# Altium PCB RUMBA32.PcbDoc (part 1 of 3) (continued)
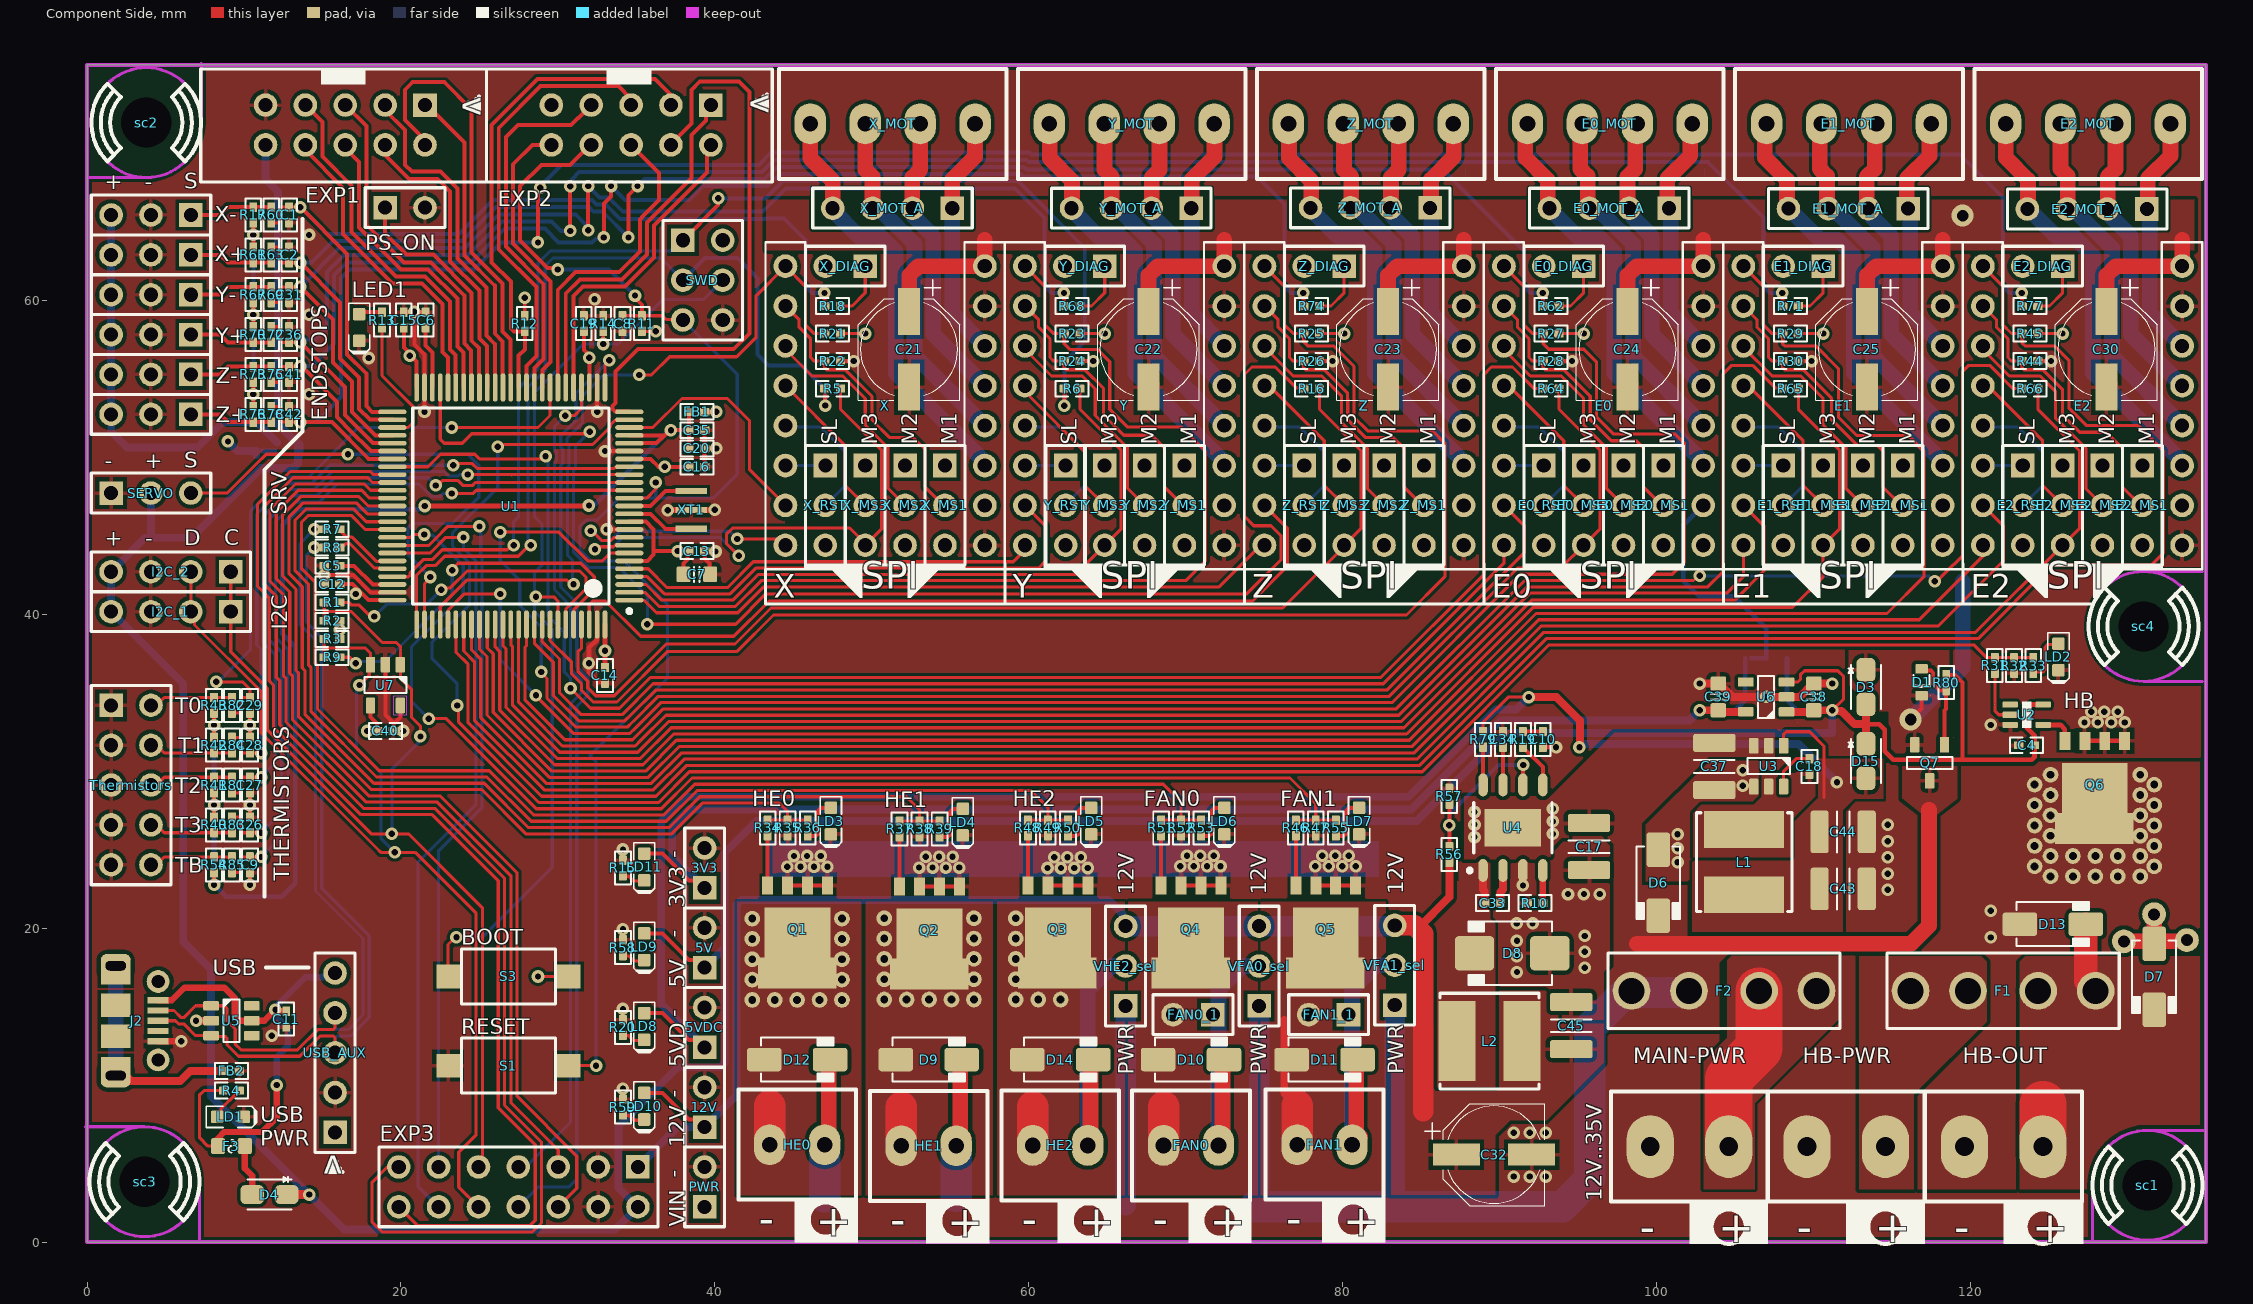
[diagram p0: Component Side view]
## Components (designator, comment, footprint, x,y, rotation, side; value= is the part's Value field where it differs from the comment) (continued)
PWR "Header 2" HDR1X2-HEADER 39.348,2.243 r90 top
Q1 "BUK9Y14-40B" LFPACK 47.174,22.727 r180 top
Q2 "BUK9Y14-40B" LFPACK 55.579,22.664 r180 top
Q3 "BUK9Y14-40B" LFPACK 63.759,22.727 r180 top
Q4 "BUK9Y14-40B" LFPACK 72.242,22.727 r180 top
Q5 "BUK9Y14-40B" LFPACK 80.827,22.727 r180 top
Q6 "PSMN1R8-40YLC" LFPACK 129.827,31.935 r180 top
Q7 "Si2371EDS" "SOT23-3 New" 117.397,30.535 r270 top
R1 "Resistor" RESC1005X40N 15.612,40.754 r180 top value=22R
R2 "Resistor" RESC1005X40N 15.612,39.589 r0 top value=2.2K
R3 "Resistor" RESC1005X40N 15.612,38.423 r0 top value=2.2K
R4 "Resistor" RESC1005X40N 9.2,9.65 r180 top value=1K
R5 "Resistor" RESC1005X40N 47.506,54.376 r180 top value=1K
R6 "Resistor" RESC1005X40N 62.764,54.376 r180 top value=1K
R7 "Resistor" RESC1005X40N 15.612,45.416 r180 top value=22R
R8 "Resistor" RESC1005X40N 15.612,44.251 r180 top value=22R
R9 "Resistor" RESC1005X40N 15.612,37.258 r180 top value=22R
R10 "Resistor" RESC1005X40N 92.255,21.596 r0 top value=100K
R11 "Resistor" RESC1005X40N 35.35,58.522 r270 top value=10K
R12 "Resistor" RESC1005X40N 27.889,58.522 r270 top value=100K
R13 "Resistor" RESC1005X40N 18.791,58.746 r270 top value=1K
R14 "Resistor" RESC1005X40N 32.884,58.522 r270 top value=10K
R15 "Resistor" RESC1005X40N 34.141,23.833 r270 top value=1K
R16 "Resistor" RESC1005X40N 78.022,54.376 r180 top value=1K
R17 "Resistor" RESC1005X40N 10.59,65.438 r90 top value=4.7K
R18 "Resistor" RESC1005X40N 47.506,59.636 r180 top value=1K
R19 "Resistor" RESC1005X40N 91.485,32.026 r270 top value=54.9K
R20 "Resistor" RESC1005X40N 34.142,13.673 r270 top value=1K
R21 "Resistor" RESC1005X40N 47.506,57.883 r180 top value=10K
R22 "Resistor" RESC1005X40N 47.506,56.13 r0 top value=100K
R23 "Resistor" RESC1005X40N 62.764,57.883 r180 top value=10K
R24 "Resistor" RESC1005X40N 62.764,56.13 r0 top value=100K
R25 "Resistor" RESC1005X40N 78.022,57.883 r180 top value=10K
R26 "Resistor" RESC1005X40N 78.022,56.13 r0 top value=100K
R27 "Resistor" RESC1005X40N 93.281,57.883 r180 top value=10K
R28 "Resistor" RESC1005X40N 93.281,56.13 r0 top value=100K
R29 "Resistor" RESC1005X40N 108.539,57.883 r180 top value=10K
R30 "Resistor" RESC1005X40N 108.539,56.13 r0 top value=100K
R31 "Resistor" RESC1005X40N 121.555,36.738 r270 top value=22R
R32 "Resistor" RESC1005X40N 122.78,36.725 r270 top value=100K
R33 "Resistor" RESC1005X40N 124.005,36.725 r90 top value=1K
R34 "Resistor" RESC1005X40N 43.364,26.381 r270 top value=22R
R35 "Resistor" RESC1005X40N 44.634,26.381 r270 top value=100K
R36 "Resistor" RESC1005X40N 45.914,26.381 r90 top value=1K
R37 "Resistor" RESC1005X40N 51.769,26.318 r270 top value=22R
R38 "Resistor" RESC1005X40N 53.039,26.318 r270 top value=100K
R39 "Resistor" RESC1005X40N 54.319,26.318 r90 top value=1K
R40 "Resistor" RESC1005X40N 8.091,26.576 r270 top value=4.7K
R41 "Resistor" RESC1005X40N 8.091,29.116 r90 top value=4.7K
R42 "Resistor" RESC1005X40N 8.091,31.656 r270 top value=4.7K
R43 "Resistor" RESC1005X40N 8.092,34.196 r90 top value=4.7K
R44 "Resistor" RESC1005X40N 123.797,56.13 r0 top value=100K
R45 "Resistor" RESC1005X40N 123.797,57.883 r180 top value=10K
R46 "Resistor" RESC1005X40N 77.017,26.381 r270 top value=22R
R47 "Resistor" RESC1005X40N 78.287,26.381 r270 top value=100K
R48 "Resistor" RESC1005X40N 59.949,26.381 r270 top value=22R
R49 "Resistor" RESC1005X40N 61.219,26.381 r270 top value=100K
R50 "Resistor" RESC1005X40N 62.499,26.381 r90 top value=1K
R51 "Resistor" RESC1005X40N 68.432,26.381 r270 top value=22R
R52 "Resistor" RESC1005X40N 69.702,26.381 r270 top value=100K
R53 "Resistor" RESC1005X40N 70.982,26.381 r90 top value=1K
R54 "Resistor" RESC1005X40N 8.091,24.036 r90 top value=4.7K
R55 "Resistor" RESC1005X40N 79.567,26.381 r90 top value=1K
R56 "Resistor" RESC1005X40N 86.8,24.7 r90 top value=140K
R57 "Resistor" RESC1005X40N 86.8,28.4 r270 top value=10K
R58 "Resistor" RESC1005X40N 34.142,18.753 r270 top value=1K
R59 "Resistor" RESC1005X40N 34.142,8.593 r270 top value=4.7K
R60 "Resistor" RESC1005X40N 11.733,65.438 r270 top value=10K
R61 "Resistor" RESC1005X40N 10.59,62.898 r270 top value=4.7K
R62 "Resistor" RESC1005X40N 93.281,59.636 r180 top value=1K
R63 "Resistor" RESC1005X40N 11.733,62.898 r90 top value=10K
R64 "Resistor" RESC1005X40N 93.281,54.376 r180 top value=1K
R65 "Resistor" RESC1005X40N 108.539,54.376 r180 top value=1K
R66 "Resistor" RESC1005X40N 123.797,54.376 r180 top value=1K
R67 "Resistor" RESC1005X40N 10.59,60.358 r90 top value=4.7K
R68 "Resistor" RESC1005X40N 62.764,59.636 r180 top value=1K
R69 "Resistor" RESC1005X40N 11.733,60.358 r270 top value=10K
R70 "Resistor" RESC1005X40N 10.59,57.818 r270 top value=4.7K
R71 "Resistor" RESC1005X40N 108.539,59.636 r180 top value=1K
R72 "Resistor" RESC1005X40N 11.733,57.818 r90 top value=10K
R73 "Resistor" RESC1005X40N 10.59,55.278 r90 top value=4.7K
R74 "Resistor" RESC1005X40N 78.022,59.636 r180 top value=1K
R75 "Resistor" RESC1005X40N 11.733,55.278 r270 top value=10K
R76 "Resistor" RESC1005X40N 10.59,52.738 r270 top value=4.7K
R77 "Resistor" RESC1005X40N 123.797,59.636 r180 top value=1K
R78 "Resistor" RESC1005X40N 11.733,52.738 r90 top value=10K
R79 "Resistor" RESC1005X40N 88.945,32.026 r90 top value=10K
R80 "Resistor" RESC1005X40N 118.457,35.638 r90 top value=10K
R81 "Resistor" RESC1005X40N 9.235,29.116 r270 top value=10K
R82 "Resistor" RESC1005X40N 9.235,34.196 r270 top value=10K
R83 "Resistor" RESC1005X40N 9.235,26.576 r90 top value=10K
R84 "Resistor" RESC1005X40N 9.235,31.656 r90 top value=10K
R85 "Resistor" RESC1005X40N 9.235,24.036 r270 top value=10K
S1 "Momentary Tactile Button" "SW-PB SMD 2pin" 26.85,11.238 r180 top
S3 "Momentary Tactile Button" "SW-PB SMD 2pin" 26.85,16.919 r180 top
sc1 "Sraf" "SRAF 3MM - RUPA 3.2" 131.275,3.614 r45 top
sc2 "Sraf" "SRAF 3MM - RUPA 3.2" 3.773,71.325 r45 top
sc3 "Sraf" "Sraf 3mm - rupa 3.5" 3.665,3.843 r45 top locked
sc4 "Sraf" "SRAF 3MM - RUPA 3.5" 131.021,39.225 r45 top
SERVO "Header 3" HDR1X3-HEADER 1.532,47.722 r0 top
SWD "Header 3X2" HDR2X3 37.959,63.826 r270 top
Thermistors "Header 5X2" HDR2X5 1.532,34.196 r270 top
U1 "STM32F446VET6" STM-LQFP100_N 26.999,46.896 r180 top locked
U2 "74LVC1G17SE-7" SOT353 123.58,33.596 r0 top
U3 "AP63205" TSOT23-6 107.144,30.319 r270 top
U4 "AOZ1284" SOIC127P600X170_HS-9N 90.85,26.4 r90 top
U5 "USBLC6-4SC6" TSOT23-6 9.2,14.1 r0 top
U6 "AP2112K-3.3TRG1" SOT23-5 106.981,34.732 r180 top
U7 "24LC64T-I/OT" SOT23-5 19.009,35.486 r270 top
USB_AUX "Header 5" HDR1X5-HEADER 15.8,6.98 r90 top
VFA0_sel "Header 3" HDR1X3-HEADER 74.68,15.044 r90 top
VFA1_sel "Header 3" HDR1X3-HEADER 83.316,15.095 r90 top
VHE2_sel "Header 3" HDR1X3-HEADER 66.171,15.044 r90 top
X "Header 8" A4988BREAKOUT_2 44.499,62.176 r270 top locked
X+ "Header 3" HDR1X3-HEADER 6.612,62.898 r180 top
X- "Header 3" HDR1X3-HEADER 6.612,65.438 r180 top
X_DIAG "Header 2" "HDR1X2-HEADER Female" 49.579,62.176 r180 top
X_MOT "" "TERM4 3.5MM" 46.081,71.244 r0 top locked
X_MOT_A "Header 4" HDR1X4 55.126,65.87 r180 top
X_MS1 "Header 3" HDR1X3-HEADER 54.659,49.476 r270 top locked
X_MS2 "Header 3" HDR1X3-HEADER 52.119,49.476 r270 top locked
X_MS3 "Header 3" HDR1X3-HEADER 49.579,49.476 r270 top locked
X_RST "Header 3" HDR1X3-HEADER 47.039,49.476 r270 top locked
XT1 "12MHz 33pF 0.5%" "CERALOCK CSTCE_G" 38.499,46.646 r270 top
Y "Header 8" A4988BREAKOUT_2 59.757,62.176 r270 top locked
Y+ "Header 3" HDR1X3-HEADER 6.612,57.818 r180 top
Y- "Header 3" HDR1X3-HEADER 6.612,60.358 r180 top
Y_DIAG "Header 2" "HDR1X2-HEADER Female" 64.837,62.176 r180 top
Y_MOT "" "TERM4 3.5MM" 61.313,71.244 r0 top locked
Y_MOT_A "Header 4" HDR1X4 70.35,65.87 r180 top
Y_MS1 "Header 3" HDR1X3-HEADER 69.917,49.476 r270 top locked
Y_MS2 "Header 3" HDR1X3-HEADER 67.377,49.476 r270 top locked
Y_MS3 "Header 3" HDR1X3-HEADER 64.837,49.476 r270 top locked
Y_RST "Header 3" HDR1X3-HEADER 62.352,49.476 r270 top
Z "Header 8" A4988BREAKOUT_2 75.016,62.176 r270 top locked
Z+ "Header 3" HDR1X3-HEADER 6.612,52.738 r180 top
Z- "Header 3" HDR1X3-HEADER 6.612,55.278 r180 top
Z_DIAG "Header 2" "HDR1X2-HEADER Female" 80.096,62.176 r180 top
Z_MOT "" "TERM4 3.5MM" 76.546,71.244 r0 top locked
Z_MOT_A "Header 4" HDR1X4 85.574,65.895 r180 top
Z_MS1 "Header 3" HDR1X3-HEADER 85.176,49.476 r270 top locked
Z_MS2 "Header 3" HDR1X3-HEADER 82.636,49.476 r270 top locked
Z_MS3 "Header 3" HDR1X3-HEADER 80.096,49.476 r270 top locked
Z_RST "Header 3" HDR1X3-HEADER 77.556,49.476 r270 top locked

## Footprints (in the part's own frame and the unit in brackets; to place one, negate y for a bottom-side part, rotate by r counter-clockwise, add the part's x,y. Pads: shape width x height; smd on the part's side, far side on the other; paste and mask are expansions set on the pad)
A4988BREAKOUT_2 [mm]
  round 1.51 hole 0.9: 1(0,0) 2(2.54,0) 3(5.08,0) 4(7.62,0) 5(10.16,0) 6(12.7,0) 7(15.24,0) 8(17.78,0) 9(17.78,12.7) 10(15.24,12.7) 11(12.7,12.7) 12(10.16,12.7) 13(7.62,12.7) 14(5.08,12.7) 15(2.54,12.7) 16(0,12.7)
  silkscreen extent -1.52,-1.27 19.3,13.97, body extent -1.67,-1.27 19.45,13.97, height 8.5
"CAP 1005-0402" [mm] "Chip Capacitor, Body 1.0x0.5mm, EIA 0402, IPC Medium Density"
  round 0.2 on Mech15: 0(0,0)
  rrect20% 0.6x0.5 smd: 1(-0.5,0) 2(0.5,0)
  Component Side pour cut-out: -0.325,0.375 -0.2,0.5 0.2,0.5 0.325,0.375 0.325,-0.375 0.2,-0.5 -0.2,-0.5 -0.325,-0.375
  silkscreen extent -1.05,-0.5 1.05,0.5, body extent -0.52,-0.27 0.53,0.28, height 0.55
"CAP EL PANASONIC" [mil]
  rect 55x118 smd: 1(0,190.97) 2(0,1.97)
  silkscreen extent -128,-31 127,271, body extent -134,-57 134,250, height 217
CAPC1005X55N [mm] "Chip Capacitor, Body 1.0x0.5mm, EIA 0402, IPC Medium Density"
  round 0.2 on Mech15: 0(0,0)
  rrect20% 0.6x0.5 smd: 1(-0.5,0) 2(0.5,0)
  Component Side pour cut-out: -0.325,0.375 -0.2,0.5 0.2,0.5 0.325,0.375 0.325,-0.375 0.2,-0.5 -0.2,-0.5 -0.325,-0.375
  silkscreen extent -1.05,-0.5 1.05,0.5, body extent -0.52,-0.27 0.53,0.28, height 0.55
CAPC1608X90N [mm] "Chip Capacitor, Body 1.6x0.8mm, EIA 0603, IPC Medium Density"
  round 0.254 on Mech15: 0(0,0)
  rrect25% 0.9x1 smd: 1(-0.85,0) 2(0.85,0)
  Component Side pour cut-out: -0.6,0.5 -0.4,0.7 0.4,0.7 0.6,0.5 0.6,-0.5 0.4,-0.7 -0.4,-0.7 -0.6,-0.5
  silkscreen extent -0.18,-0.48 0.18,0.48, body extent -0.85,-0.45 0.85,0.45, height 0.89
CAPC3225X220N [mm] "Chip Capacitor, Body 3.2x2.5mm, EIA 1210, IPC Medium Density"
  round 0.508 on Mech15: 0(0,0)
  rrect25% 1.15x2.7 smd: 1(-1.5,0) 2(1.5,0)
  silkscreen extent -0.4,-1.3 0.4,1.3, body extent -1.8,-1.4 1.8,1.4, height 2.19
"CERALOCK CSTCE_G" [mm]
  rect 0.4x2 smd: 1(-1.2,0) 2(0,0) 3(1.2,0)
  body extent -1.6,-0.65 1.6,0.65, height 0.7
DIOM2616X08N [mm] "Molded Diode, 2-Leads, Body 2.60x1.60mm, IPC Medium Density"
  rrect50% 1.5x1.2 smd: A(1.1,0) K(-1.1,0)
  silkscreen extent -1.4,-1.11 1.4,0.95, body extent -1.35,-0.85 1.35,0.85, height 0.85
DO-214AA [mm] "JEDEC DO214 variation AA. SMB"
  round 0.508 on Mech15: 0(0,0)
  rrect25% 2.5x2.2 smd: A(-2.4,0) K(2.4,0)
  silkscreen extent -2.54,-2.03 2.79,2.03, body extent -2.8,-1.97 2.8,1.98, height 2.62
DO-214AC [mm] "JEDEC DO214 variation AC. SMA"
  round 0.508 on Mech15: 0(0,0)
  rrect25% 2.2x1.5 smd: A(-2.1,0) K(2.1,0)
  silkscreen extent -2.3,-1.4 2.3,1.4, body extent -2.6,-1.3 2.6,1.3, height 2.42
"FUSE 1608-0603" [mm]
  round 0.254 on Mech15: 0(0,0)
  rrect25% 0.9x1 smd: 1(-0.85,0) 2(0.85,0)
  Component Side pour cut-out: -0.6,0.5 -0.4,0.7 0.4,0.7 0.6,0.5 0.6,-0.5 0.4,-0.7 -0.4,-0.7 -0.6,-0.5
  silkscreen extent -0.2,-0.4 0.2,0.4, body extent -0.82,-0.42 0.83,0.43, height 0.48
"FUSEHOLDER - BK-6013 - MINI ATC ATO BLADE 15A" [mm]
  round 2.4 hole 1.65: 0(-5.895,0) 0(-2.235,0) 1(2.235,0) 1(5.895,0)
  silkscreen extent -7.4,-2.4 7.4,2.4, body extent -7.4,-2.4 7.4,2.4, height 17.8
HDR1X2 [mm]
  rect 1.5x1.5 hole 0.9: 1(0,0)
  round 1.5 hole 0.9: 2(2.54,0)
  silkscreen extent -1.27,-1.27 3.81,1.27, body extent -1.27,-1.27 3.81,1.27, height 8.6
HDR1X2-HEADER [mm]
  rect 1.5x1.5 hole 0.9: 1(0,0)
  round 1.5 hole 0.9: 2(2.54,0)
  silkscreen extent -1.27,-1.27 3.81,1.27, body extent -1.27,-1.27 3.81,1.27, height 8.6
"HDR1X2-HEADER Female" [mm]
  rect 1.5x1.5 hole 0.9: 1(0,0)
  round 1.5 hole 0.9: 2(2.54,0)
  silkscreen extent -1.27,-1.27 3.81,1.27, body extent -1.27,-1.27 3.81,1.27, height 8.5
HDR1X3-HEADER [mm]
  rect 1.5x1.5 hole 0.9: 1(0,0)
  round 1.5 hole 0.9: 2(2.54,0) 3(5.08,0)
  silkscreen extent -1.27,-1.27 6.35,1.27, body extent -1.27,-1.27 6.35,1.27, height 8.6
HDR1X4 [mm]
  rect 1.5x1.5 hole 0.9: 1(0,0)
  round 1.5 hole 0.9: 2(2.54,0) 3(5.08,0) 4(7.62,0)
  silkscreen extent -1.27,-1.27 8.89,1.27, body extent -1.27,-1.27 8.89,1.27, height 8.6
HDR1X4-HEADER [mm]
  rect 1.5x1.5 hole 0.9: 1(0,0)
  round 1.5 hole 0.9: 2(2.54,0) 3(5.08,0) 4(7.62,0)
  silkscreen extent -1.27,-1.27 8.89,1.27, body extent -1.27,-1.27 8.89,1.27, height 8.6
HDR1X5-HEADER [mm]
  rect 1.5x1.5 hole 0.9: 1(0,0)
  round 1.5 hole 0.9: 2(2.54,0) 3(5.08,0) 4(7.62,0) 5(10.16,0)
  silkscreen extent -1.27,-1.27 11.43,1.27, body extent -1.27,-1.27 11.43,1.27, height 8.6
HDR2X3 [mm]
  rect 1.5x1.5 hole 0.9: 1(0,0)
  round 1.5 hole 0.9: 2(0,2.54) 3(2.54,0) 4(2.54,2.54) 5(5.08,0) 6(5.08,2.54)
  silkscreen extent -1.27,-1.27 6.35,3.81, body extent -1.27,-1.27 6.35,3.81, height 8.6
HDR2X5 [mm]
  rect 1.5x1.5 hole 0.9: 1(0,0)
  round 1.5 hole 0.9: 2(0,2.54) 3(2.54,0) 4(2.54,2.54) 5(5.08,0) 6(5.08,2.54) 7(7.62,0) 8(7.62,2.54) 9(10.16,0) 10(10.16,2.54)
  silkscreen extent -1.27,-1.27 11.43,3.81, body extent -1.27,-1.27 11.43,3.81, height 8.6
"HDR2X5_EXP INER ONLY\" [mm]
  rect 1.5x1.5 hole 0.9: 1(4.004,2.302)
  round 1.5 hole 0.9: 2(4.004,4.842) 3(6.544,2.302) 4(6.544,4.842) 5(9.084,2.302) 6(9.084,4.842) 7(11.624,2.302) 8(11.624,4.842) 9(14.164,2.302) 10(14.164,4.842)
  silkscreen extent 0.09,0.01 18.29,7.21, body extent 2.73,1.03 15.43,6.11, height 8.6
HDR2X7 [mm]
  rect 1.5x1.5 hole 0.9: 1(0,0)
  round 1.5 hole 0.9: 2(0,2.54) 3(2.54,0) 4(2.54,2.54) 5(5.08,0) 6(5.08,2.54) 7(7.62,0) 8(7.62,2.54) 9(10.16,0) 10(10.16,2.54) 11(12.7,0) 12(12.7,2.54) 13(15.24,0) 14(15.24,2.54)
  silkscreen extent -1.27,-1.27 16.51,3.81, body extent -1.27,-1.27 16.51,3.81, height 8.6
"Jump_3Way - SMALL" [mm] "SMT Battery jumper pads"
  rrect25% 1x1 smd: 1(-1.332,0) 2(0,0) 3(1.332,0)
  rrect25% 4x1.4 on Bottom Solder: SM(0,0)
  silkscreen extent -2.1,-0.8 2.1,0.8
"LED 1608-0603" [mm]
  round 0.254 on Mech15: 0(0,0)
  rrect25% 0.8x0.8 smd: 1(-0.85,0) 2(0.85,0)
  Component Side pour cut-out: -0.5,0.5 0.5,0.5 0.5,-0.5 -0.5,-0.5
  silkscreen extent -1.55,-0.67 1.68,0.67, body extent -0.8,-0.4 0.8,0.4, height 0.75
LFPACK [mm]
  rect 0.7x1.15 smd: 1(3.81,0) 3(0,0) 3(1.27,0) 3(2.54,0)
  rect 4.2x3.2 smd: 2(1.905,3)
  rect 5x2 smd: 2(1.93,5.588)
  body extent -0.58,-0.33 4.42,6.14, height 1.1
"Micro-USB B Molex 105017-0001" [mm]
  round 1.45 hole 0.85: 4(-2.5,0) 5(2.5,0)
  rect 1.5x1.9 smd: 6(-1,-2.7) 7(1,-2.7) SHIELD(-3.05,-2.7) SHIELD(3.05,-2.7)
  rect 0.4x1.35 smd: D+(0,0) D-(-0.65,0) GND(1.3,0) ID(0.65,0) VBUS(-1.3,0)
  rrect50% 1.5x1.9 hole 0.6 slot 1.3 at 90 deg: SHIELD(-3.5,-2.7) SHIELD(3.5,-2.7)
  body extent -4.1,-5.25 4.1,0.15, height 2.68
"OS LOGO TOP" [mm]
  silkscreen extent -1.45,-1.17 1.37,1.37
RESC1005X40N [mm] "Chip Resistor, Body 1.0x0.5mm, EIA 0402, IPC Medium Density"
  round 0.2 on Mech15: 0(0,0)
  rrect20% 0.6x0.5 smd: 1(-0.5,0) 2(0.5,0)
  Component Side pour cut-out: -0.325,0.375 -0.2,0.5 0.2,0.5 0.325,0.375 0.325,-0.375 0.2,-0.5 -0.2,-0.5 -0.325,-0.375
  silkscreen extent -1.05,-0.5 1.05,0.5, body extent -0.52,-0.27 0.53,0.28, height 0.4
SOD523 [mm] "SOD-523; 2 Leads; Body 1.2 x 0.8 mm, (LxW)"
  round 0.508 on Mech15: 0(0,0)
  rrect20% 0.6x0.8 smd: A(0.85,0) K(-0.85,0)
  Component Side pour cut-out: -0.725,-0.25 -0.725,0.25 -0.525,0.45 0.525,0.45 0.725,0.25 0.725,-0.25 0.525,-0.45 -0.525,-0.45
  silkscreen extent -0.25,-0.51 0.45,0.51, body extent -0.85,-0.45 0.85,0.45, height 0.7
SOIC127P600X170_HS-9N [mm] "SOIC, 8-Leads, Body 4.90x3.90mm, Pitch 1.27mm, Thermal Pad 3.60x2.41mm, IPC Medium Density"
  oval 1.45x0.6 smd: 1(-2.725,1.905) 2(-2.725,0.635) 3(-2.725,-0.635) 4(-2.725,-1.905) 5(2.725,-1.905) 6(2.725,-0.635) 7(2.725,0.635) 8(2.725,1.905)
  rect 2.41x3.6 smd: 9(0,0)
  silkscreen extent -2.85,-2.5 1.6,2.88, body extent -2.93,-2.45 3.07,2.45, height 1.75
"SOT23-3 New" [mm] "SOT23, 3 pin"
  round 0.5 on Mech15: 0(0,0)
  rrect25% 1x0.6 smd: 1(-1.15,0.95) 2(-1.15,-0.95) 3(1.15,0)
  silkscreen extent -0.38,-1.45 0.38,1.45, body extent -1.4,-1.45 1.4,1.45, height 1.29
SOT23-5 [mm]
  round 0.5 on Mech15: 0(0,0)
  rrect25% 1x0.6 smd: 1(-1.3,0.95) 2(-1.3,0) 3(-1.3,-0.95) 4(1.3,-0.95) 5(1.3,0.95)
  silkscreen extent -0.51,-1.35 0.51,1.35, body extent -1.4,-1.45 1.4,1.45, height 1.44
SOT353 [mm] "Small outline 2.1mm L x 1.25mm W x 1mm H; 5LD SC-70; SC-88A"
  round 0.5 on Mech15: 0(0,0)
  rrect50% 1x0.4 smd: 1(-1.05,0.65) 2(-1.05,0) 3(-1.05,-0.65) 4(1.05,-0.65) 5(1.05,0.65)
  silkscreen extent -0.3,-0.85 0.3,0.85, body extent -1.2,-1.1 1.2,1.1, height 1.1
"SRAF 3MM - RUPA 3.2" [mm]
  round 3 hole 3.2: 0(0,0)
  silkscreen extent -3.5,-3.5 3.5,3.5
"Sraf 3mm - rupa 3.5" [mm]
  round 3 hole 3.2: 0(0,0)
  silkscreen extent -3.5,-3.5 3.5,3.5
"SRAF 3MM - RUPA 3.5" [mm]
  round 3 hole 3.2: 0(0,0)
  silkscreen extent -3.5,-3.5 3.5,3.5
"SRN6045TA SMD Inductor" [mm]
  rect 5.1x2.35 smd: 1(0,2.075) 2(0,-2.075)
  silkscreen extent -3.05,-3.15 3.05,3.15, body extent -3,-3 3,3, height 4.25
STM-LQFP100_N [mm] "Thin QFP, 100-Leads, Body 14x14mm, Pitch 0.5mm, IPC Medium Density"
  oval 1.8x0.3 smd: 1(-7.55,6) 2(-7.55,5.5) 3(-7.55,5) 4(-7.55,4.5) 5(-7.55,4) 6(-7.55,3.5) 7(-7.55,3) 8(-7.55,2.5) 9(-7.55,2) 10(-7.55,1.5) 11(-7.55,1) 12(-7.55,0.5) 13(-7.55,0) 14(-7.55,-0.5) 15(-7.55,-1) 16(-7.55,-1.5) 17(-7.55,-2) 18(-7.55,-2.5) 19(-7.55,-3) 20(-7.55,-3.5) 21(-7.55,-4) 22(-7.55,-4.5) 23(-7.55,-5) 24(-7.55,-5.5) 25(-7.55,-6) 51(7.55,-6) 52(7.55,-5.5) 53(7.55,-5) 54(7.55,-4.5) 55(7.55,-4) 56(7.55,-3.5) 57(7.55,-3) 58(7.55,-2.5) 59(7.55,-2) 60(7.55,-1.5) 61(7.55,-1) 62(7.55,-0.5) 63(7.55,0) 64(7.55,0.5) 65(7.55,1) 66(7.55,1.5) 67(7.55,2) 68(7.55,2.5) 69(7.55,3) 70(7.55,3.5) 71(7.55,4) 72(7.55,4.5) 73(7.55,5) 74(7.55,5.5) 75(7.55,6)
  oval 0.3x1.8 smd: 26(-6,-7.55) 27(-5.5,-7.55) 28(-5,-7.55) 29(-4.5,-7.55) 30(-4,-7.55) 31(-3.5,-7.55) 32(-3,-7.55) 33(-2.5,-7.55) 34(-2,-7.55) 35(-1.5,-7.55) 36(-1,-7.55) 37(-0.5,-7.55) 38(0,-7.55) 39(0.5,-7.55) 40(1,-7.55) 41(1.5,-7.55) 42(2,-7.55) 43(2.5,-7.55) 44(3,-7.55) 45(3.5,-7.55) 46(4,-7.55) 47(4.5,-7.55) 48(5,-7.55) 49(5.5,-7.55) 50(6,-7.55) 76(6,7.55) 77(5.5,7.55) 78(5,7.55) 79(4.5,7.55) 80(4,7.55) 81(3.5,7.55) 82(3,7.55) 83(2.5,7.55) 84(2,7.55) 85(1.5,7.55) 86(1,7.55) 87(0.5,7.55) 88(0,7.55) 89(-0.5,7.55) 90(-1,7.55) 91(-1.5,7.55) 92(-2,7.55) 93(-2.5,7.55) 94(-3,7.55) 95(-3.5,7.55) 96(-4,7.55) 97(-4.5,7.55) 98(-5,7.55) 99(-5.5,7.55) 100(-6,7.55)
  silkscreen extent -7.68,-6.25 6.25,6.82, body extent -7.98,-8.03 8.02,7.97, height 1.11
"SW-PB SMD 2pin" [mm]
  rect 1.5x1.5 smd: 1(-3.85,0) 2(3.85,0)
  silkscreen extent -3,-1.75 3,1.75, body extent -4,-1.75 4,1.75, height 4.3
"TERM2 3.5MM" [mm]
  oval 2x2.6 hole 1: 1(0,0) 2(3.5,0)
  silkscreen extent -2,-3.5 5.5,3.5, body extent -1.85,-3.8 5.26,3.49, height 8.51